# KiCad board Dumpling_Main.kicad_pcb (continued)
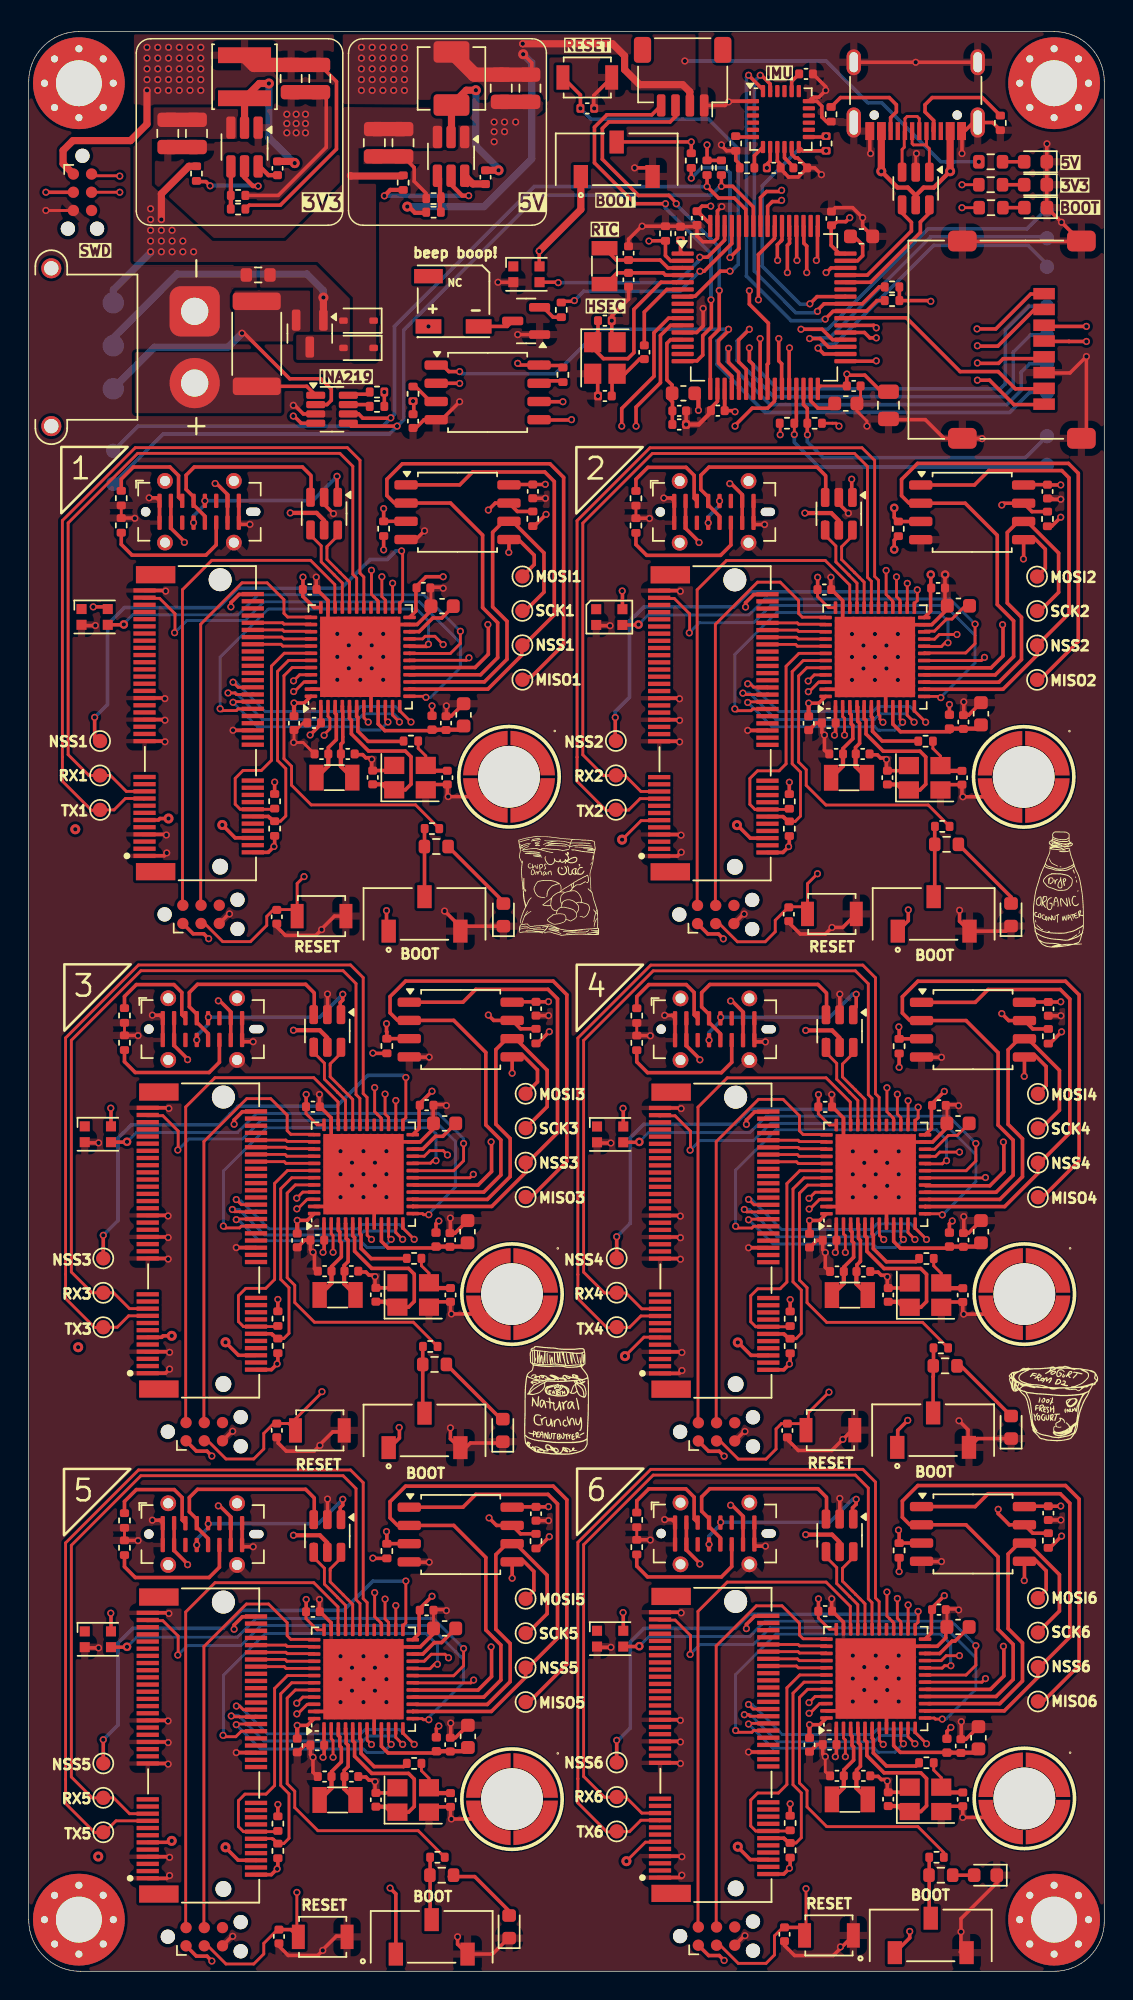
[diagram p0: board, top side]
## Routing (per net, layer and track width the routed paths; a pad name or vN(x,y) marks a point on that pad's centre or on a via; arc(x,y) is an arc through that point) (continued)
SDIO_D0: length 16.2
  Top w0.25: U1.39 56.97,115.25 61.2,115.25 64.95,111.5 67.6,111.5 68.8,110.3 71.09,110.3 71.1,110.3
SDIO_D2: length 22.8
  Top w0.25: v1(54.25,118.4) 54.25,120.25 54.05,120.45 54.05,121.63 U1.51 ; v1(66.12,114.47) 67.44,114.47 69.87,116.91 71.1,116.91
  In4.Cu w0.25: v1(54.25,118.4) 54.83,117.82 55.58,117.82 57.25,116.15 61.2,116.15 62.88,114.47 v1(66.12,114.47)
SDIO_D3: length 24
  Top w0.25: U1.52 53.55,121.62 53.55,119.27 v1(53.57,119.25) ; 71.1,115.8 70.1,115.8 67.57,113.27 66.18,113.27 v1(66.15,113.3)
  In4.Cu w0.25: v1(66.15,113.3) 63.15,113.3 60.8,115.65 56.9,115.65 55.2,117.35 54.45,117.35 53.55,118.25 53.55,119.14 53.6,119.19
SDIO_D7: length 16.4
  Top w0.25: v1(66.15,110.9) 67,110.9 68.7,109.2 71.09,109.2 71.1,109.2 ; v1(59.1,114.55) 58.93,114.72 U1.38
  In4.Cu w0.25: v1(66.15,110.9) 63.75,110.9 60.1,114.55 v1(59.1,114.55)
SPI1_MISO: length 56.4
  Top w0.25: 28.41,110.68 29.99,110.68 ; v1(50.25,114.45) 49.5,113.7 49.5,112.19 50.03,111.66 U1.22
  In3.Cu w0.25: v1(30.05,110.67) 35.62,110.67 38.72,113.77 49.57,113.77 v1(50.25,114.45)
  Bottom w0.25: TP6.1 69.85,114.05 68.65,112.85 68.65,110.4 68,109.75 51.95,109.75 50.28,111.42 50.26,111.42 49.4,112.29 49.4,113.65 50.2,114.45 v1(50.25,114.45)
SPI1_MOSI: length 48.4
  Top w0.25: v1(37.85,108.15) 37.82,108.12 35.61,108.12 U24.5 ; v1(50.25,113.15) 50.25,112.25 50.53,111.97 U1.23
  In3.Cu w0.25: v1(37.85,108.15) 37.9,108.1 37.9,110.9 39.45,112.45 49.55,112.45 v1(50.25,113.15)
  Bottom w0.25: v1(50.25,113.15) 50.25,112.25 52.2,110.3 67.75,110.3 68.1,110.65 68.1,114.4 69.75,116.05 TP5.1
SPI1_NSS: length 55
  Top w0.25: v1(48.8,114.45) 48.8,114.35 48.1,113.65 48.1,112.1 49.03,111.17 U1.20 49.03,110.77 49,110.8 ; 30.1,111.5 29.3,111.5 28.85,111.95 28.42,111.95 U24.1
  Bottom w0.25: 30.1,111.5 30.25,111.35 36.72,111.35 39.82,114.45 v1(48.8,114.45) 48,113.65 48,112 51.35,108.65 68.4,108.65 69.8,110.05 TP8.1
  vias: v1(30.05,111.5)
SPI1_SCK: length 45.6
  Top w0.25: v1(37.25,109.4) 35.6,109.4 U24.6 ; U1.21 49.5,110.32 49.5,111.45 48.8,112.15 v1(48.8,113.12)
  In3.Cu w0.25: v1(37.25,109.4) 37.25,111.25 39.12,113.12 v1(48.8,113.12)
  Bottom w0.25: 37.25,109.47 v1(37.25,109.4) 37.35,109.4 ; v1(48.8,113.12) 48.7,113.02 48.7,112.2 51.7,109.2 68.21,109.2 69.2,110.19 69.2,111.45 69.8,112.05 TP7.1
SPI2_MISO: length 260.9
  Top w0.2: v1(60.57,25.99) 60.57,24.61 60.81,24.36 U22.27 ; U4.27 24.87,95.58 24.62,95.82 v1(24.62,97.2) ; U16.27 60.81,59.51 60.57,59.75 v1(60.57,61.13) ; U5.27 60.76,95.57 60.51,95.81 v1(60.51,97.19) ; v1(24.85,25.94) 24.85,24.56 25.09,24.32 U19.27 ; U13.27 25.09,59.52 24.85,59.76 v1(24.85,61.14)
  Top w0.25: U1.35 56.93,113.2 56.08,113.2 56.08,113.2 55.79,113.2 55.19,113.8 v1(54.45,113.8)
  In1.Cu w0.2: v1(24.85,25.94) 24.95,26.04 26.46,26.04 28.39,24.11 49.49,24.11 50.79,25.41 59.99,25.41 v1(60.57,25.99) ; v1(60.51,97.19) 59.93,96.61 50.73,96.61 49.72,95.6 28.8,95.6 27.1,97.3 24.73,97.3 v1(24.62,97.2) ; v1(24.85,61.14) 24.95,61.24 27.44,61.24 29.29,59.4 49.63,59.4 50.79,60.55 59.99,60.55 v1(60.57,61.13)
  In3.Cu w0.2: v1(60.57,25.99) 60.57,26.49 59.7,27.36 59.7,38.27 60.44,39.01 60.44,51.23 61.95,52.74 61.95,58.3 60.59,59.66 60.59,61.11 v1(60.57,61.13) 60.57,61.64 59.6,62.6 59.6,74.28 60.39,75.07 60.39,87.39 62.35,89.35 62.35,94.15 60.5,96 60.5,97.18 v1(60.51,97.19)
  In3.Cu w0.25: v1(54.45,113.8) 54.45,111.8 48.55,105.9 46,105.9 37.9,97.8 25.05,97.8 24.62,97.38 v1(24.62,97.2)
  Bottom w0.25: v1(54.45,113.8) 54.5,113.85 55.85,113.85 62.9,120.9 71,120.9
SPI2_MOSI: length 264.3
  Top w0.2: U22.28 60.31,24.29 60.24,24.37 60.24,24.37 60.03,24.58 60.02,24.58 59.84,24.76 v1(59.84,26.44) ; U13.28 24.59,59.45 24.52,59.52 24.52,59.53 24.31,59.74 24.3,59.74 24.12,59.92 v1(24.12,61.59) ; v1(23.9,97.65) 23.9,95.97 24.08,95.79 24.08,95.79 24.29,95.58 24.29,95.58 24.37,95.51 U4.28 ; v1(59.79,97.64) 59.79,95.96 59.97,95.78 59.97,95.78 60.18,95.57 60.18,95.57 60.26,95.5 U5.28 ; U19.28 24.59,24.25 24.52,24.32 24.52,24.33 24.31,24.54 24.3,24.54 24.12,24.72 v1(24.12,26.39) ; v1(59.84,61.58) 59.84,59.91 60.02,59.73 60.03,59.73 60.24,59.52 60.24,59.51 60.31,59.44 U16.28
  Top w0.25: U1.36 56.05,113.72 55.32,114.45 v1(53.85,114.45)
  In1.Cu w0.2: v1(59.79,97.64) 59.29,98.13 47.98,98.13 47.6,97.75 24,97.75 v1(23.9,97.65) ; v1(59.84,61.58) 59.35,62.08 33.97,62.08 33.94,62.05 33.48,62.05 33.46,62.08 27.78,62.08 27.4,61.7 24.63,61.7 24.52,61.59 v1(24.12,61.59) ; v1(59.84,26.44) 59.35,26.93 34.02,26.93 33.94,26.85 26.8,26.85 26.55,26.6 24.33,26.6 v1(24.12,26.39)
  In3.Cu w0.2: v1(24.12,26.39) 27.43,29.7 27.43,51.25 27.25,51.43 27.25,57.85 24.12,60.98 v1(24.12,61.59) 24.12,62.77 27.21,65.86 27.21,87.3 26.75,87.76 26.75,94.3 23.9,97.15 v1(23.9,97.65)
  In3.Cu w0.25: v1(53.85,114.45) 53.3,115 52.2,115 51.65,114.45 51.65,112.85 46.47,107.67 46.47,107.55 46.1,107.19 45.99,107.19 37.1,98.3 24.75,98.3 24.1,97.65 v1(23.9,97.65)
  Bottom w0.25: v1(53.85,114.45) 55.7,114.45 62.7,121.45 69.6,121.45 70.95,122.8 TP9.1
SPI2_NSS1: length 66.3
  Top w0.2: U4.25 25.87,95.34 26.08,95.55 26.08,98.92 v1(26,99)
  Top w0.25: U1.11 44.76,114.72 44.05,114.02 44.05,110.72 42.35,109.02 42.35,107.6 ; v1(4.6,87.4) 4.6,85.75
  In1.Cu w0.25: v1(26,99) 26,102.5 27.9,104.4 39.05,104.4 v1(42.35,107.7)
  Bottom w0.25: v1(26,99) 25.6,99 25,98.4 23.8,98.4 21.8,96.4 14.59,96.4 13.24,95.05 6.67,95.05 5.5,93.88 5.5,88.3 v1(4.6,87.4) 4.6,87.25
SPI2_NSS2: length 51
  Top w0.2: v1(61.96,96.29) 61.96,95.54 61.76,95.33 U5.25
  Top w0.25: U1.33 59.07,112.22 v1(59.1,112.25) ; v1(40.9,87.39) 40.9,86.15
  In1.Cu w0.25: v1(59.1,112.25) 60.9,112.25 61.32,111.83 61.32,100.58 61.92,99.98 61.92,96.33 v1(61.96,96.29)
  Bottom w0.25: v1(61.96,96.29) 61.89,96.29 61.75,96.15 50.23,96.15 49.18,95.1 42.9,95.1 42.29,94.49 42.26,94.49 41.89,94.12 41.89,88.8 40.9,87.8 v1(40.9,87.39)
SPI2_NSS3: length 121.2
  Top w0.2: U13.25 26.09,59.29 26.3,59.49 v1(26.3,62.3)
  Top w0.25: U1.10 44.62,115.22 43.6,114.21 43.6,111.17 41.35,108.92 41.35,107.6 ; v1(5.2,51.3) 5.2,50.07
  In1.Cu w0.25: v1(41.35,107.7) 38.7,105.05 17.82,105.05 12.15,99.38 12.15,73.19 23.04,62.3 v1(26.3,62.3)
  Bottom w0.25: v1(5.2,51.3) 5.2,51.3 6.23,52.33 6.23,58.08 6.6,58.44 6.61,58.44 7.17,59 13.3,59 14.06,59.76 14.06,59.76 14.6,60.3 21.5,60.3 23.64,62.44 26.16,62.44 v1(26.3,62.3)
SPI2_NSS4: length 93
  Top w0.2: v1(62.02,60.23) 62.02,59.48 61.81,59.28 U16.25
  Top w0.25: v1(41,51.2) TP22.1 ; v1(59.1,113.85) 58.65,113.85 58.28,114.22 U1.37
  In1.Cu w0.25: v1(59.1,113.85) 59.45,113.5 61.2,113.5 62.45,112.25 62.45,101.35 66.56,97.24 66.56,92.31 66,91.75 66,87.5 62.9,84.4 62.9,61.11 v1(62.02,60.23)
  Bottom w0.25: 40.98,51.18 v1(41,51.2) 41.01,51.2 41.95,52.14 41.95,58.1 42.89,59.04 49.24,59.04 49.47,59.27 49.47,59.27 49.81,59.61 49.81,59.61 50.28,60.08 61.87,60.08 v1(62.02,60.23)
SPI2_NSS5: length 179.6
  Top w0.2: v1(26.3,27.2) 26.3,24.29 26.09,24.09 U19.25
  Top w0.25: v1(5.2,16.14) 5.2,14.87 ; U1.24 51.03,109.88 51,109.85 ; U1.24 51.03,109.72 51,109.7 ; U1.24 51,110.32 51,113.75 51.05,113.8
  In1.Cu w0.25: 51.05,113.8 50.95,113.7 50.95,112.85 49.95,111.85 43.25,111.85 37.9,106.5 10.4,106.5 3.35,99.45 3.35,80.68 4.25,79.78 4.25,40.59 15.07,29.77 15.07,29.35 17.23,27.2 v1(26.3,27.2)
  Bottom w0.25: v1(26.3,27.2) 24,27.2 21.95,25.15 14.82,25.15 13.57,23.9 7.25,23.9 6.23,22.88 6.23,17.17 v1(5.2,16.14)
  vias: v1(51,113.8)
SPI2_NSS6: length 150.7
  Top w0.2: v1(62.02,25.09) 62.02,24.34 61.81,24.13 U22.25
  Top w0.25: U1.25 51.5,110.32 51.5,112 51.58,112.08 51.58,114.87 50.25,116.2 v1(50.25,117.14) ; v1(41,16.1) TP46.1
  In1.Cu w0.25: v1(50.25,117.14) 50.86,117.75 59.35,117.75 63.55,113.55 63.55,102.25 68.55,97.25 68.55,88.8 72.75,84.6 72.75,35.91 62.02,25.17 v1(62.02,25.09)
  Bottom w0.25: 40.94,16.04 v1(41,16.1) 41.1,16.1 41.95,16.95 41.95,22.95 42.9,23.9 49.24,23.9 50.23,24.89 61.78,24.89 61.83,24.94 61.87,24.94 v1(62.02,25.09)
SPI2_SCK: length 258.4
  Top w0.2: v1(61.32,25.54) 61.32,24.27 61.31,24.27 U22.26 ; v1(61.26,96.74) 61.26,95.05 U5.26 ; v1(61.32,60.68) 61.32,59.42 61.31,59.41 U16.26 ; U19.26 25.59,24.22 25.6,24.23 v1(25.6,25.49) ; v1(25.38,96.75) 25.38,95.49 25.37,95.48 U4.26 ; v1(25.6,60.69) 25.6,59.43 25.59,59.42 U13.26
  Top w0.25: v1(55.04,113.14) 55.45,112.72 U1.34
  In1.Cu w0.2: v1(25.6,60.69) 25.6,59.62 26.74,58.48 50.27,58.48 51.39,59.6 60.24,59.6 v1(61.32,60.68) ; v1(61.32,25.54) 60.18,24.4 51.34,24.4 50.27,23.33 27.23,23.33 25.6,24.96 v1(25.6,25.49) ; v1(61.26,96.74) 60.22,95.7 51.38,95.7 50.21,94.54 27.06,94.54 25.38,96.22 v1(25.38,96.75)
  In3.Cu w0.2: v1(61.26,96.74) 61.26,96.14 62.96,94.44 62.96,87.74 63.09,87.61 63.09,62.46 v1(61.32,60.68) 61.32,60.08 62.75,58.65 62.75,51.64 63.15,51.23 63.15,28.85 61.32,27.01 v1(61.32,25.54)
  In3.Cu w0.25: v1(25.38,96.75) 26.3,95.82 39.42,95.82 55.04,111.44 v1(55.04,113.14)
  Bottom w0.25: TP11.1 71,118.97 69.68,120.3 63.1,120.3 56.2,113.4 55.3,113.4 v1(55.04,113.14)
SWCLK: length 57.1
  Top w0.2: 4.45,124 6.3,124
  Top w0.25: v1(54.92,119.25) 54.92,119.27 55,119.35 55,121.62 U1.49
  In3.Cu w0.25: v1(6.35,124) 10.63,124 16.15,118.47 44.8,118.47 47.58,121.25 52.93,121.25 54.92,119.25 v1(54.92,119.25)
SWDIO: length 58.2
  Top w0.2: 4.45,125.15 6.35,125.15
  Top w0.25: U1.46 55.95,118.72 55.63,118.4 v1(55.6,118.4)
  In3.Cu w0.25: v1(6.35,125.12) 10.3,125.12 16.38,119.05 44.74,119.05 47.39,121.7 53.28,121.7 55.6,119.39 v1(55.6,118.4)
Trigger: length 250.9
  Top w0.2: U13.18 30.76,55.31 v1(31,55.55) ; 26.87,20.1 30.83,20.1 v1(31.03,20.3) ; 26.56,91.38 30.53,91.38 v1(30.7,91.55) ; v1(66.64,91.58) 66.42,91.36 U5.18 ; 66.69,55.3 U16.18 ; v1(66.71,20.4) 66.47,20.15 U22.18
  Top w0.25: U1.2 44.76,119.22 44.4,119.58 R32.1 43.26,120.61 ; v1(66.71,55.33) 66.69,55.3 ; 26.56,91.38 U4.18
  In3.Cu w0.25: v1(30.7,91.55) 30.7,91.46 30.99,91.17 30.99,55.56 v1(31,55.55) 30.99,55.54 30.99,20.33 v1(31.03,20.3)
  In4.Cu w0.25: v1(66.64,91.58) 66.64,91.37 64.62,89.35 62.7,89.35 61.75,88.4 56.85,88.4 53.9,91.35 30.81,91.35 30.7,91.46 v1(30.7,91.55) 30.92,91.55 43.25,103.88 v1(43.25,120.6) ; v1(31.03,20.3) 31.03,20.1 31.03,20.1 53.95,20.1 57.25,16.8 61.4,16.8 64.78,20.18 66.49,20.18 v1(66.71,20.4) ; v1(31,55.55) 31,55.33 31.03,55.3 54,55.3 57.15,52.15 61.75,52.15 64.93,55.33 v1(66.71,55.33)
USART_RX: length 29.3
  Top w0.25: 45.1,123.25 v1(45.15,123.2) 45.15,123.26 44.64,123.78 42.52,123.78 40,126.3 40,128.45 40.45,128.9 44.72,128.9 45.1,129.28 J5.3 ; 48.15,117.2 48.15,114.45 47.53,113.82 U1.17
  Bottom w0.25: v1(45.15,123.2) 45.15,123.15 48.15,120.15 48.15,117.2
  vias: v1(48.15,117.15)
USART_TX: length 27.7
  Top w0.25: 44.4,123.3 v1(44.4,123.2) 42.3,123.2 39.45,126.05 39.45,128.54 40.31,129.4 43.45,129.4 J5.4 ; U1.16 45.6,112.25 46.6,112.25 47,112.65 47,114 47.6,114.6 47.6,116.42 47.57,116.45
  Bottom w0.25: v1(44.4,123.2) 44.4,122.9 47.57,119.72 47.57,116.45
  vias: v1(47.57,116.5)
USB_D+: length 8
  Top w0.2: U2.4 60.9,122.55 ; 56.77,118.22 56.74,118.2
  Top w0.25: U1.45 58.47,118.22 61.55,121.3 61.55,121.9 60.9,122.55
USB_D+_ESD: length 5.2
  Top w0.2: J3.A6 62.1,129.13 61.95,129.28 61.25,129.28 61.1,129.13 J3.B6 61.05,128.21 61.05,127.14 60.9,126.98 60.9,125.97
USB_D-: length 8.9
  Top w0.2: 56.74,117.75 56.77,117.72 ; U2.6 62.8,122.55
  Top w0.25: 62.8,122.55 62.18,121.92 62.18,121.2 58.7,117.72 U1.44
USB_D-_ESD: length 4.3
  Top w0.2: J3.A7 61.6,127.39 61.69,127.3 62.53,127.3 62.6,127.23 ; J3.B7 62.6,127.23 ; 62.6,127.23 62.8,127.03 62.8,125.97
Net-(BZ1--): length 2.7
  Top w0.25: 31.22,114.65 33.37,114.65 Q2.3
Net-(C12-Pad1): length 4.2
  Top w0.25: R1.2 42.59,112.37 41.57,111.35 HSE1.3 ; 40.68,111 40.68,109.82 ; 41.47,111.42 40.99,110.94
Net-(C30-Pad1): length 3.1
  Top w0.2: HSE3.3 27.69,84.71 27.16,85.24 R13.2
  Top w0.3: 27.63,83.68 27.69,83.73 ; C30.1 28.06,83.68
Net-(C44-Pad1): length 3.1
  Top w0.2: R26.2 63.05,85.23 63.57,84.7 HSE2.3
  Top w0.3: C44.1 63.94,83.67 ; 63.52,83.67 63.57,83.72
Net-(C57-Pad1): length 3.1
  Top w0.2: R44.2 27.38,49.18 27.91,48.65 HSE4.3
  Top w0.3: C57.1 28.28,47.62 ; 27.86,47.62 27.91,47.68
Net-(C70-Pad1): length 3.1
  Top w0.2: R53.2 63.1,49.17 63.63,48.64 HSE5.3
  Top w0.3: C70.1 64,47.61 ; 63.58,47.61 63.63,47.67
Net-(C83-Pad1): length 3.1
  Top w0.2: HSE6.3 27.91,13.45 27.38,13.98 R62.2
  Top w0.3: 27.86,12.42 27.91,12.48 ; C83.1 28.28,12.42
Net-(C96-Pad1): length 3.1
  Top w0.2: HSE7.3 63.63,13.5 63.1,14.03 R71.2
  Top w0.3: C96.1 64,12.47 ; 63.58,12.47 63.63,12.52
Net-(D1-A): length 1.5
  Top w0.25: R3.2 D1.2
Net-(D2-A): length 1.5
  Top w0.25: R20.1 D2.2
Net-(D4-A): length 5.3
  Top w0.25: 29.49,78.16 33.22,74.42
Net-(D6-A): length 1.5
  Top w0.25: R37.1 D6.2
Net-(D9-A): length 5.6
  Top w0.25: R36.2 68.49,74.88 D9.2
Net-(D11-A): length 5.5
  Top w0.25: R46.2 33.03,38.4 33.06,38.4
Net-(D13-A): length 5.2
  Top w0.25: D13.2 68.49,38.71 65,42.2 R55.2
Net-(D15-A): length 5.2
  Top w0.25: 29.33,6.6 31.1,6.6 33.55,4.15
Net-(D17-A): length 1.5
  Top w0.25: 64.53,6.7 66.02,6.7
Net-(J3-CC1): length 8.3
  Top w0.25: R6.2 66.5,130.6 63,130.6 62.5,130.1 62.5,129.6 63.1,129 J3.A5 63.08,128.28 63.08,128.52
Net-(J3-CC2): length 7
  Top w0.2: 60.11,128.25 J3.B5
  Top w0.25: R7.2 56.6,130.6 60,130.6 60.5,130.1 60.5,129.6 60.1,129.2 J3.B5
Net-(J4-P): length 4.4
  Top w0.25: 15.95,110.42 R28.2 19.39,110.47 U9.1
Net-(J8-CC1): length 7.3
  Top w0.25: J8.A5 10.45,102.75 10.45,104.25 9.85,104.85 7.3,104.85 6.46,104.01 R18.2
Net-(J8-CC2): length 9.6
  Top w0.25: R19.2 6.46,99.46 7.21,98.7 12.36,98.7 13.08,99.42 J8.B5
Net-(J11-CC1): length 7.3
  Top w0.25: J11.A5 10.67,66.69 10.67,68.22 10.12,68.77 7.51,68.77 6.68,67.95 R47.2
Net-(J11-CC2): length 9.6
  Top w0.25: R48.2 6.68,63.4 7.43,62.65 12.58,62.65 13.3,63.36 J11.B5
Net-(J14-CC1): length 7.3
  Top w0.25: J14.A5 46.4,66.67 46.4,68.22 45.85,68.77 43.24,68.77 42.4,67.94 R56.2
Net-(J14-CC2): length 9.6
  Top w0.25: J14.B5 49.02,63.35 48.3,62.64 43.15,62.64 42.4,63.39 R57.2
Net-(J17-CC1): length 7.3
  Top w0.25: R65.2 6.68,32.75 7.51,33.57 10.15,33.57 10.7,33.03 10.7,31.46 J17.A5
Net-(J17-CC2): length 9.6
  Top w0.25: R66.2 6.68,28.2 7.43,27.45 12.58,27.45 13.3,28.16 J17.B5
Net-(J20-CC1): length 7.3
  Top w0.25: R74.2 42.4,32.79 43.23,33.62 45.82,33.62 46.4,33.05 46.4,31.52 J20.A5
Net-(J20-CC2): length 9.6
  Top w0.25: J20.B5 49.02,28.21 48.3,27.49 43.15,27.49 42.4,28.24 R75.2
Net-(J23-CC1): length 7.3
  Top w0.25: R38.2 42.34,103.99 43.17,104.82 45.84,104.82 46.4,104.26 46.4,102.67 J23.A5
Net-(J23-CC2): length 9.6
  Top w0.25: J23.B5 48.96,99.41 48.24,98.69 43.09,98.69 42.34,99.44 R39.2
Net-(Q2-B): length 1.8
  Top w0.25: R9.2 36.56,115.29 35.88,115.98 Q2.2
Net-(SW1-B): length 28.1
  Top w0.2: R3.1 v1(65.07,122.92)
  Top w0.25: R2.2 v1(46.2,127.51) 41.01,127.51 SW1.2
  In3.Cu w0.25: v1(65.07,122.92) 58.57,122.92 54.95,126.55 46.95,126.55 46.2,127.3 v1(46.2,127.51)
Net-(SW4-B): length 4.8
  Top w0.25: R10.2 27.6,79.64 SW4.2
Net-(SW6-B): length 5.4
  Top w0.25: R35.2 63.18,79.78 63.18,78.11 ; R36.1 63.18,74.97 SW6.2
Net-(SW8-B): length 5.2
  Top w0.25: R46.1 27.47,38.95 27.6,38.82 ; R45.2 27.47,43.53 27.47,41.86
Net-(SW10-B): length 4.4
  Top w0.25: 63.06,39.1 63.06,41.44 63.07,41.45 R55.1 63.09,42.22 R54.2
Net-(SW12-B): length 4.4
  Top w0.25: R63.2 27.99,3.71 SW12.2 ; 27.79,3.76 27.8,3.75
Net-(SW14-B): length 4.3
  Top w0.25: 62.8,3.7 62.79,3.71 R72.2
Net-(U1-VCAP_1): length 2.9
  Top w0.25: U1.31 54.53,109.46 55.03,108.95 55.88,108.95 C35.1
Net-(U1-VCAP_2): length 3.2
  Top w0.25: C36.1 57.55,120.92 58.15,120.32 58.15,119.58 57.79,119.22 U1.47
Net-(U4-VCAP1): length 3.6
  Top w0.25: U4.22 26.56,93.38 27.22,93.38 28.17,94.32 28.8,94.32 29.46,94.99
Net-(U5-VCAP1): length 3.9
  Top w0.2: C15.1 65.3,95.17 64.38,94.25 64,94.25 63.15,93.41 62.49,93.41 U5.22
Net-(U7-AUX_CL): length 1.4
  Top w0.25: U7.7 50.6,126.55 50.6,125.95
Net-(U7-AUX_DA): length 1.1
  Top w0.25: 49.36,127.85 U7.6
Net-(U7-CPOUT): length 1.4
  Top w0.25: U7.20 53.2,131.73 C107.1
Net-(U7-REGOUT): length 1.7
  Top w0.25: U7.10 52.7,126.4 52.76,126.34 52.77,126.34 53.04,126.07 53.04,126.06 53.32,125.78 C106.1
Net-(U9-A0): length 1.5
  Top w0.25: U9.7 23.65,109.2 R5.2
Net-(U9-A1): length 1.6
  Top w0.25: R4.2 23.63,109.92 22.36,109.92 U9.8
Net-(U13-VCAP1): length 3.7
  Top w0.25: C53.1 28.88,58.2 28.37,58.2 27.48,57.31 U13.22
Net-(U16-VCAP1): length 3.8
  Top w0.2: U16.22 63.16,57.3 64.12,58.26 64.74,58.26 C66.1
Net-(U19-VCAP1): length 3.7
  Top w0.25: U19.22 27.48,22.11 28.28,22.91 28.79,22.91 C79.1
Net-(U22-VCAP1): length 3.8
  Top w0.25: C92.1 64.59,23.01 64.39,23.01 63.52,22.15 62.5,22.15 U22.22
Net-(U25-EN): length 7.3
  Top w0.2: 15.05,126.48 U25.5 15.21,125.64
  Top w0.25: v1(12.65,124.45) 12.36,124.74 11.75,124.74
  Top w0.3: U25.5 15.05,125.02 15.64,124.43 v1(16,124.43)
  Bottom w0.3: v1(16,124.43) 15.96,124.47 12.67,124.47 v1(12.65,124.45)
Net-(U25-SW): length 11.1
  Top w0.5: L2.1 16.08,131.58 v2(16.75,131.58) ; 18.55,126.15 C33.2 ; 15.05,130.08 U25.2
  Bottom w0.5: 18.55,126 16.75,127.8 16.75,131.43
  vias: v2(18.55,126.03)
Net-(U25-VBST): length 1.7
  Top w0.2: 16.11,125.8 U25.6 16,125.86
  Top w0.3: 16.11,125.8 16.72,125.19 C33.1
Net-(U25-VFB): length 2.5
  Top w0.2: 14.08,125.78 U25.4
  Top w0.3: 14.1,125.5 14.1,122.99
Net-(U26-EN): length 8.9
  Top w0.3: v1(30.68,123.76) 30.23,123.76 29.45,124.54 ; v1(24.8,123.75) 25.21,124.16 R21.1
  Bottom w0.3: v1(24.8,123.75) 24.81,123.76 v1(30.68,123.76)
Net-(U26-SW): length 11.5
  Top w0.5: C41.2 v2(32.76,125.53) ; v2(31.18,131.11) 30.51,131.11 L3.1 29.48,127.88
  Bottom w0.5: v2(32.76,125.53) 32.76,125.65 31.18,127.23 v2(31.18,131.11)
Net-(U26-VBST): length 3
  Top w0.2: 30.6,125.62 30.6,124.92
  Top w0.3: 30.6,124.5 30.6,125.11
  Top w0.5: U26.6 30.97,124.58 31.84,124.58
Net-(U26-VFB): length 2.7
  Top w0.25: 28.87,123.52 28.87,123.88
  Top w0.3: 28.68,124.97 28.68,122.67

## Copper pours and planes (outline as drawn; the poured copper is in the pictures)
+3V3 on Top: 12.85,130.04 12.85,130.38 21.3,130.41 21.28,135.01 7.34,135.01 7.32,130.04
+3V3 on In2.Cu: -1.72,136.49 76.03,136.74 76.03,-0.51 -2.22,-0.51
+5V on Top: 27.05,130.04 27.05,130.44 36.1,130.44 36.1,133.6 42,133.6 42,131.1 46.5,131.1 46.5,135.01 21.9,135.01 21.9,130.04
+5V on In2.Cu: 35.28,134.94 35.25,128.35 32.12,125.22 7.35,125.12 3.28,117.99 3.58,12.26 10.33,5.17 43.46,5.16 43.56,5.25 43.56,13.99 47.01,13.99 46.99,4.05 44.43,1.44 10.58,1.42 8.26,2.47 8.26,4.81 1.63,11.67 1.4,120.39 5.77,127.83 19.39,127.87 22.21,130.45 22.21,134.97
+5V on In2.Cu: 46.67,34.94 43.11,34.94 43.12,47.94 46.7,47.94
+5V on In2.Cu: 46.69,70.99 43.06,70.99 43.07,81.99 46.71,81.99
+5V on In2.Cu: 50.35,96.29 44.15,102.45 44.15,102.55
GND on Top: 35.85,131.2 31.85,131.2 31.85,128.65 29.95,128.65 29.95,127 23.35,127 23.35,125.96 26.98,125.96 32.08,125.97 35.85,129.73
GND on Top: 21.05,131.6 17.25,131.6 17.25,129.55 15.5,129.55 15.5,127.8 8.82,127.8 8.82,126.65 21.05,126.68
GND on Top: 7.4,113.1 7.4,118.85 15.9,118.85 15.9,117.35 14.15,117.35 14.15,113.1
GND on Top: -12.5,143.6 86.5,143.6 86.5,-11.4 -13.5,-11.4
GND on Bottom: -11.24,142.55 85.2,142.55 85.2,-9.65 -11.64,-9.65
GND on In1.Cu: -2.72,137.43 77.62,137.43 77.62,-1.8 -3.22,-1.8
GND on In3.Cu: -4.6,138.96 79.22,138.96 79.22,-3.28 -4.6,-3.28
GND on In4.Cu: -5.87,140.23 81.76,140.23 81.76,-5.82 -5.87,-5.82
VBAT on Top: 14.15,117.35 19.9,117.35 19.9,113.6 14.15,113.6
VBUS on Top: 16.12,119.1 19.9,119.1 22.72,116.27 22.72,114.2 19.83,114.2 19.83,117.35 16.12,117.35
VBUS on In2.Cu: 9.53,104.74 18.78,104.74 18.78,98.74 9.53,98.74
VBUS on In2.Cu: 9.58,68.76 19.83,68.76 19.83,62.76 9.58,62.76
VBUS on In2.Cu: 9.58,33.49 19.58,33.49 19.58,27.49 9.58,27.49
VBUS on In2.Cu: 63.35,119.34 21.83,119.39 19.23,116.8 19.23,107.12 12.27,98.69 23.23,98.69 23.23,111.19 27.9,116.31 63.38,116.48
VBUS on In2.Cu: 64.65,125.99 64.65,123.7 70.84,118.45 70.55,33.9 64.52,27.87 46.76,27.84 45.48,29.29 45.48,31.79 47.26,33.57 60.89,33.61 65.04,37.76 65.12,60.87 63.05,62.94 46.68,62.94 45.63,64 45.63,66.84 47.67,68.89 60.6,68.93 65.13,73.48 65.09,96.24 62.51,98.86 44.72,98.81 44.61,105.4 54.78,105.4 63.24,113.86 63.2,116.27 56.1,119.52 58.88,122.42 58.88,125.99
VIN on Top: 23,124.59 24.22,124.59 24.23,112.26 22.6,112.25 22.6,116.67 20.12,119.14 7.3,119.14 7.3,129.92 14.6,129.92 14.6,127.72 8.59,127.72 8.59,124.48 12.82,120.61 17.91,120.61 21.9,124.6 21.9,129.94 28.85,129.89 28.85,127.07 23,127.07
VIN on In2.Cu: 42.28,74.49 36.28,74.49 36.28,81.99 42.28,81.99
VIN on In2.Cu: 10.25,122.83 14.5,118.85 14.49,112.21 7.63,105.62 7.53,85.49 9.73,82.64 9.73,77.99 7.53,75.24 7.53,49.24 9.88,46.54 9.88,43.34 7.53,40.49 7.53,13.56 13.18,7.98 34.27,8.01 36.78,10.6 36.78,13.99 42.11,13.99 42.11,7.67 41.21,6.79 11.42,6.75 5.43,12.83 4.98,115.48 9.09,122.84
VIN on In2.Cu: 42.03,38.99 36.03,38.99 36.03,46.49 42.03,46.49
Net-(D3-A) on Top: 18.65,114.06 22.9,114.06 22.9,112.31 18.65,112.31
Net-(J4-P) on Top: 17.62,108.6 17.62,111.11 15.89,112.85 7.4,112.85 7.4,108.6

Small or netless copper shapes (teardrops, artwork), in the pictures only: 2 on In3.Cu

## Text on the board
B.Silkscreen: TX | RX | VIN | VBUS | VBAT | SDA1 | SCL1 | MISO2 | SCK2 | MOSI2 | NSS1 | MOSI1 | SCK1 | SDA2 | MISO1 | SCL2 | INA219 | F411 | FLASH | Data Dumpling Payload v0.1 / 04/25 @seoyoonij
User.Drawings: no copper directly / below component | CS1,3 | CS5,6 | i2c2:co | CS4 | CS2 | spi2:co
F.Silkscreen: NSS5 | NSS3 | RX5 | RX3 | TX5 | TX3 | RESET | BOOT | beep boop! | MOSI1 | SCK1 | NSS1 | MISO1 | MOSI3 | SCK3 | MISO3 | MOSI5 | SCK5 | MISO5 | NSS4 | NSS6 | NSS2 | RX4 | RX6 | RX2 | TX4 | TX6 | TX2 | MOSI2 | SCK2 | MISO2 | MOSI4 | SCK4 | MISO4 | MOSI6 | SCK6 | MISO6 | RX1 | TX1 | SWD | INA219 | HSEC | RTC | IMU | 5V | 3V3 | 1 | 5 | 3 | 2 | 4 | 6
In1.Cu: let's not fuck up the board!
